# Altium PCB PCB.PcbDoc (part 7 of 10) (continued)
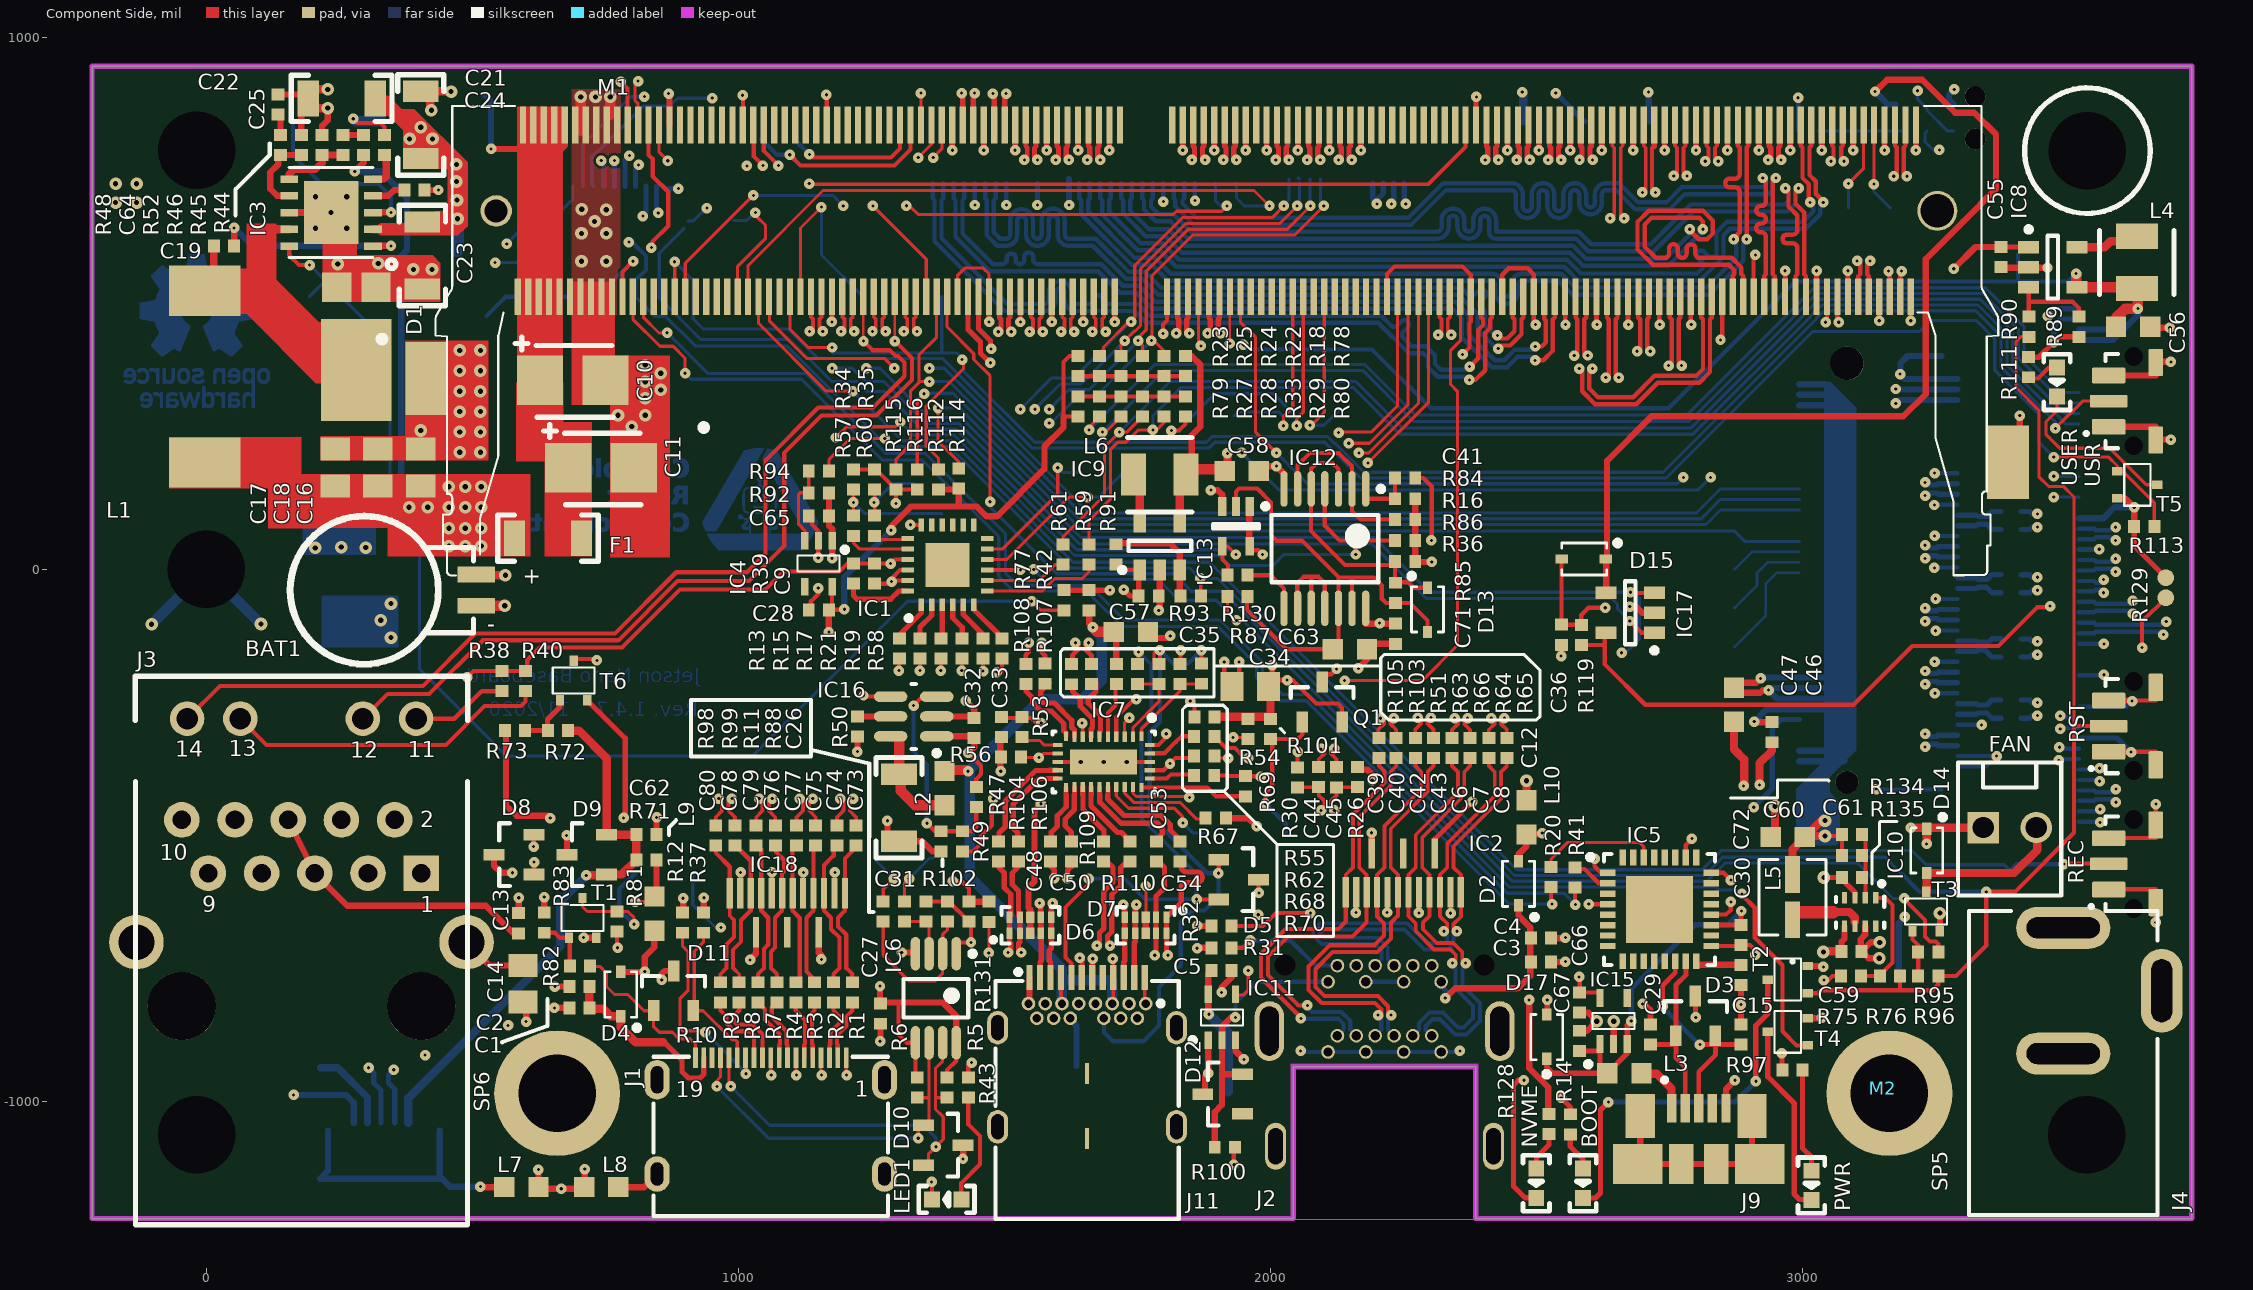
[diagram p0: Component Side view]
## Nets (pads, with @x,y where several pads share a name; then routed paths per layer and width w, separated by ;. In a path a pad name is that pad's centre, name@x,y a point inside that pad or via, vN(x,y) a via of type N, cw(c..) or ccw(c..) an arc to the next point about the centre after c; other vN are vias at no path point) (continued)
-93.9,357.36 -88.48,357.36 ; -93.9,357.73 -88.48,357.73 ; -93.9,358.09 -88.48,358.09 ; -93.9,358.45 -88.48,358.45 ; -93.9,358.81 -88.48,358.81 ; -93.9,359.17 -88.48,359.17 ; -93.9,359.53 -88.48,359.53 ; -93.9,359.89 -88.48,359.89 ; -93.9,360.26 -88.48,360.26 ; -93.9,360.62 -88.48,360.62 ; -93.9,360.98 -88.48,360.98 ; -93.9,361.34 -88.48,361.34 ; -93.9,361.7 -88.48,361.7 ; -93.9,362.06 -88.48,362.06 ; -93.9,362.42 -88.48,362.42 ; -93.9,362.79 -88.48,362.79 ; -93.9,363.15 -88.48,363.15 ; -93.9,363.51 -88.48,363.51 ; -93.9,363.87 -88.48,363.87 ; -93.9,364.23 -88.48,364.23 ; -93.9,364.59 -88.48,364.59 ; -93.9,364.95 -88.48,364.95 ; -93.9,365.32 -88.48,365.32 ; -93.9,365.68 -88.48,365.68 ; -93.9,366.04 -88.48,366.04 ; -93.9,366.4 -88.48,366.4 ; -93.9,366.76 -88.48,366.76 ; -93.9,367.12 -88.48,367.12 ; -93.9,367.49 -88.48,367.49 ; -93.9,367.85 -88.48,367.85 ; -93.9,368.21 -88.48,368.21 ; -93.9,368.57 -88.48,368.57 ; -93.9,375.44 -88.48,375.44 ; -93.9,375.8 -88.48,375.8 ; -93.9,376.16 -88.48,376.16 ; -93.9,376.52 -88.48,376.52 ; -93.9,376.88 -88.48,376.88 ; -93.9,377.25 -88.48,377.25 ; -93.9,377.61 -88.48,377.61 ; -93.9,377.97 -88.48,377.97 ; -93.9,411.23 -67.15,411.23 ; -93.9,435.08 -38.59,435.08 ; -93.9,435.45 -38.59,435.45 ; -93.9,458.94 -31.36,458.94 ; -93.9,459.3 -31.73,459.3 ; -93.9,459.67 -32.45,459.67 ; -93.9,511 -34.62,511 ; -93.9,511.36 -33.9,511.36 ; -93.9,511.72 -33.53,511.72 ; -93.9,537.39 58.28,537.39 ; -93.9,561.24 -67.15,561.24 ; -93.54,410.86 -67.88,410.86 ; -93.54,435.81 -38.23,435.81 ; -93.54,458.22 -30.28,458.22 ; -93.54,458.58 -30.64,458.58 ; -93.54,512.08 -32.81,512.08 ; -93.54,512.44 -32.09,512.44 ; -93.54,536.66 57.92,536.66 ; -93.54,537.02 57.92,537.02 ; -93.54,561.61 -67.51,561.61 ; -93.18,410.5 -68.24,410.5 ; -93.18,436.17 -38.23,436.17 ; -93.18,436.53 -38.23,436.53 ; -93.18,457.13 -29.56,457.13 ; -93.18,457.5 -29.56,457.5 ; -93.18,457.86 -29.92,457.86 ; -93.18,512.8 -31.36,512.8 ; -93.18,513.17 -30.64,513.17 ; -93.18,536.3 57.56,536.3 ; -93.18,561.97 -68.24,561.97 ; -92.82,410.14 -68.96,410.14 ; -92.82,436.89 -37.87,436.89 ; -92.82,456.41 -29.92,456.41 ; -92.82,456.77 -29.56,456.77 ; -92.82,513.53 -29.92,513.53 ; -92.82,513.89 -29.2,513.89 ; -92.82,514.25 -28.11,514.25 ; -92.82,535.58 57.2,535.58 ; -92.82,535.94 57.2,535.94 ; -92.82,562.33 -68.6,562.33 ; -92.46,409.78 -69.32,409.78 ; -92.46,437.25 -37.87,437.25 ; -92.46,437.61 -37.51,437.61 ; -92.46,455.33 -30.28,455.33 ; -92.46,455.69 -30.28,455.69 ; -92.46,456.05 -29.92,456.05 ; -92.46,514.61 -27.39,514.61 ; -92.46,514.97 -25.94,514.97 ; -92.46,535.22 56.84,535.22 ; -92.46,562.69 -69.32,562.69 ; -92.1,409.42 -70.04,409.42 ; -92.1,437.98 -37.51,437.98 ; -92.1,454.6 -30.64,454.6 ; -92.1,454.97 -30.28,454.97 ; -92.1,515.33 -24.5,515.33 ; -92.1,515.7 -22.69,515.7 ; -92.1,516.06 -19.8,516.06 ; -92.1,534.49 56.48,534.49 ; -92.1,534.86 56.48,534.86 ; -92.1,563.05 -69.68,563.05 ; -91.73,327.72 -81.25,327.72 ; -91.73,409.06 -70.41,409.06 ; -91.73,438.34 -37.51,438.34 ; -91.73,453.52 -31,453.52 ; -91.73,453.88 -31,453.88 ; -91.73,454.24 -30.64,454.24 ; -91.73,516.42 56.12,516.42 ; -91.73,516.78 56.12,516.78 ; -91.73,534.13 56.12,534.13 ; -91.73,563.41 -70.41,563.41 ; -91.37,408.7 -70.77,408.7 ; -91.37,438.7 -37.15,438.7 ; -91.37,439.06 -37.15,439.06 ; -91.37,452.8 -31.36,452.8 ; -91.37,453.16 -31.36,453.16 ; -91.37,517.14 55.75,517.14 ; -91.37,517.5 55.75,517.5 ; -91.37,533.41 55.75,533.41 ; -91.37,533.77 55.75,533.77 ; -91.37,563.77 -70.77,563.77 ; -91.01,408.33 -71.49,408.33 ; -91.01,439.42 -36.79,439.42 ; -91.01,451.71 -31.73,451.71 ; -91.01,452.07 -31.73,452.07 ; -91.01,452.44 -31.36,452.44 ; -91.01,517.87 55.39,517.87 ; -91.01,518.23 55.39,518.23 ; -91.01,518.59 55.39,518.59 ; -91.01,533.05 55.39,533.05 ; -91.01,564.14 -71.49,564.14 ; -90.65,407.97 -71.85,407.97 ; -90.65,439.78 -36.79,439.78 ; -90.65,440.14 -36.43,440.14 ; -90.65,450.99 -32.09,450.99 ; -90.65,451.35 -32.09,451.35 ; -90.65,518.95 55.03,518.95 ; -90.65,519.31 55.03,519.31 ; -90.65,532.32 55.03,532.32 ; -90.65,532.69 55.03,532.69 ; -90.65,564.5 -71.85,564.5 ; -90.29,327.36 -81.25,327.36 ; -90.29,407.61 -72.57,407.61 ; -90.29,440.51 -36.43,440.51 ; -90.29,449.91 -32.45,449.91 ; -90.29,450.27 -32.45,450.27 ; -90.29,450.63 -32.09,450.63 ; -90.29,519.67 54.67,519.67 ; -90.29,520.03 54.67,520.03 ; -90.29,531.96 54.67,531.96 ; -90.29,564.86 -72.57,564.86 ; -89.93,407.25 -72.94,407.25 ; -89.93,440.87 -36.43,440.87 ; -89.93,441.23 -36.06,441.23 ; -89.93,449.18 -32.81,449.18 ; -89.93,449.54 -32.81,449.54 ; -89.93,520.4 54.31,520.4 ; -89.93,520.76 54.31,520.76 ; -89.93,521.12 54.31,521.12 ; -89.93,531.6 54.31,531.6 ; -89.93,565.22 -72.94,565.22 ; -89.56,327 -81.25,327 ; -89.56,406.89 -73.66,406.89 ; -89.56,441.59 -36.06,441.59 ; -89.56,448.1 -33.17,448.1 ; -89.56,448.46 -33.17,448.46 ; -89.56,448.82 -33.17,448.82 ; -89.56,521.48 53.95,521.48 ; -89.56,521.84 53.95,521.84 ; -89.56,530.88 53.95,530.88 ; -89.56,531.24 53.95,531.24 ; -89.56,565.58 -73.3,565.58 ; -89.2,406.53 -74.02,406.53 ; -89.2,441.95 -35.7,441.95 ; -89.2,442.31 -35.7,442.31 ; -89.2,447.37 -33.53,447.37 ; -89.2,447.74 -33.53,447.74 ; -89.2,522.2 53.59,522.2 ; -89.2,522.56 53.59,522.56 ; -89.2,530.52 53.59,530.52 ; -89.2,565.94 -74.02,565.94 ; -88.84,326.64 -81.25,326.64 ; -88.84,406.16 -74.74,406.16 ; -88.84,442.68 -35.7,442.68 ; -88.84,446.29 -33.9,446.29 ; -88.84,446.65 -33.9,446.65 ; -88.84,447.01 -33.9,447.01 ; -88.84,522.93 53.22,522.93 ; -88.84,523.29 53.22,523.29 ; -88.84,523.65 53.22,523.65 ; -88.84,529.79 53.22,529.79 ; -88.84,530.16 53.22,530.16 ; -88.84,566.3 -74.38,566.3 ; -88.48,326.28 -81.25,326.28 ; -88.48,405.8 -75.11,405.8 ; -88.48,443.04 -35.34,443.04 ; -88.48,443.4 -35.34,443.4 ; -88.48,445.57 -34.26,445.57 ; -88.48,445.93 -34.26,445.93 ; -88.48,524.01 52.86,524.01 ; -88.48,524.37 52.86,524.37 ; -88.48,529.43 52.86,529.43 ; -88.48,566.67 -75.11,566.67 ; -88.12,325.91 -81.25,325.91 ; -88.12,405.44 -75.83,405.44 ; -88.12,443.76 -34.98,443.76 ; -88.12,444.12 -34.98,444.12 ; -88.12,444.48 -34.62,444.48 ; -88.12,444.84 -34.62,444.84 ; -88.12,445.21 -34.62,445.21 ; -88.12,524.73 52.5,524.73 ; -88.12,525.1 52.5,525.1 ; -88.12,528.71 52.5,528.71 ; -88.12,529.07 52.5,529.07 ; -88.12,567.03 -75.47,567.03 ; -87.76,325.19 -81.25,325.19 ; -87.76,325.55 -81.25,325.55 ; -87.76,405.08 -76.19,405.08 ; -87.76,525.46 52.14,525.46 ; -87.76,525.82 52.14,525.82 ; -87.76,526.18 52.14,526.18 ; -87.76,527.99 52.14,527.99 ; -87.76,528.35 52.14,528.35 ; -87.76,567.39 -76.19,567.39 ; -87.4,324.47 -81.25,324.47 ; -87.4,324.83 -81.25,324.83 ; -87.4,404.72 -76.55,404.72 ; -87.4,526.54 51.78,526.54 ; -87.4,526.9 51.78,526.9 ; -87.4,527.26 51.78,527.26 ; -87.4,527.63 51.78,527.63 ; -87.4,567.75 -76.55,567.75 ; -87.03,323.02 -81.25,323.02 ; -87.03,323.38 -81.25,323.38 ; -87.03,323.75 -81.25,323.75 ; -87.03,324.11 -81.25,324.11 ; -87.03,404.36 -77.27,404.36 ; -87.03,568.11 -77.27,568.11 ; -86.67,304.59 -81.25,304.59 ; -86.67,304.95 -81.25,304.95 ; -86.67,305.31 -81.25,305.31 ; -86.67,305.67 -81.25,305.67 ; -86.67,306.03 -81.25,306.03 ; -86.67,306.39 -81.25,306.39 ; -86.67,306.76 -81.25,306.76 ; -86.67,307.12 -81.25,307.12 ; -86.67,307.48 -81.25,307.48 ; -86.67,307.84 -81.25,307.84 ; -86.67,308.2 -81.25,308.2 ; -86.67,308.56 -81.25,308.56 ; -86.67,308.92 -81.25,308.92 ; -86.67,309.29 -81.25,309.29 ; -86.67,309.65 -81.25,309.65 ; -86.67,310.01 -81.25,310.01 ; -86.67,310.37 -81.25,310.37 ; -86.67,310.73 -81.25,310.73 ; -86.67,311.09 -81.25,311.09 ; -86.67,311.45 -81.25,311.45 ; -86.67,311.82 -81.25,311.82 ; -86.67,312.18 -81.25,312.18 ; -86.67,312.54 -81.25,312.54 ; -86.67,312.9 -81.25,312.9 ; -86.67,313.26 -81.25,313.26 ; -86.67,313.62 -81.25,313.62 ; -86.67,313.98 -81.25,313.98 ; -86.67,314.35 -81.25,314.35 ; -86.67,314.71 -81.25,314.71 ; -86.67,315.07 -81.25,315.07 ; -86.67,315.43 -81.25,315.43 ; -86.67,315.79 -81.25,315.79 ; -86.67,316.15 -81.25,316.15 ; -86.67,316.52 -81.25,316.52 ; -86.67,316.88 -81.25,316.88 ; -86.67,317.24 -81.25,317.24 ; -86.67,317.6 -81.25,317.6 ; -86.67,317.96 -81.25,317.96 ; -86.67,318.32 -81.25,318.32 ; -86.67,318.68 -81.25,318.68 ; -86.67,319.05 -81.25,319.05 ; -86.67,319.41 -81.25,319.41 ; -86.67,319.77 -81.25,319.77 ; -86.67,320.13 -81.25,320.13 ; -86.67,320.49 -81.25,320.49 ; -86.67,320.85 -81.25,320.85 ; -86.67,321.21 -81.25,321.21 ; -86.67,321.58 -81.25,321.58 ; -86.67,321.94 -81.25,321.94 ; -86.67,322.3 -81.25,322.3 ; -86.67,322.66 -81.25,322.66 ; -86.67,330.25 -81.25,330.25 ; -86.67,330.61 -81.25,330.61 ; -86.67,330.97 -81.25,330.97 ; -86.67,331.34 -81.25,331.34 ; -86.67,331.7 -81.25,331.7 ; -86.67,332.06 -81.25,332.06 ; -86.67,332.42 -81.25,332.42 ; -86.67,332.78 -81.25,332.78 ; -86.67,404 -77.64,404 ; -86.67,568.47 -77.64,568.47 ; -86.31,403.63 -78.36,403.63 ; -86.31,568.84 -78.36,568.84 ; -85.95,403.27 -78.72,403.27 ; -85.95,569.2 -78.72,569.2 ; -85.59,402.91 -79.44,402.91 ; -85.59,569.56 -79.08,569.56 ; -85.23,402.55 -79.8,402.55 ; -85.23,569.92 -79.8,569.92 ; -84.87,402.19 -80.53,402.19 ; -84.87,570.28 -80.17,570.28 ; -84.5,401.83 -80.89,401.83 ; -84.5,570.64 -80.89,570.64 ; -84.14,401.47 -81.61,401.47 ; -84.14,571 -81.25,571 ; -83.78,571.37 -81.97,571.37 ; -83.42,401.1 -81.97,401.1 ; -81.97,350.13 -76.19,350.13 ; -81.97,350.5 -76.19,350.5 ; -81.97,350.86 -76.19,350.86 ; -81.97,351.22 -76.19,351.22 ; -81.97,351.58 -76.19,351.58 ; -81.97,351.94 -76.19,351.94 ; -81.97,352.3 -76.19,352.3 ; -81.97,352.66 -76.19,352.66 ; -81.97,353.03 -61.37,353.03 ; -81.97,353.39 -61.01,353.39 ; -81.97,353.75 -60.65,353.75 ; -81.97,354.11 -60.65,354.11 ; -81.97,354.47 -60.28,354.47 ; -81.97,354.83 -60.28,354.83 ; -81.97,355.19 -71.85,355.19 ; -81.97,355.56 -72.94,355.56 ; -81.97,355.92 -73.66,355.92 ; -81.97,356.28 -74.38,356.28 ; -81.97,356.64 -74.74,356.64 ; -81.97,357 -74.74,357 ; -81.97,357.36 -75.11,357.36 ; -81.97,357.73 -75.47,357.73 ; -81.97,358.09 -75.47,358.09 ; -81.97,358.45 -75.83,358.45 ; -81.97,358.81 -75.83,358.81 ; -81.97,359.17 -76.19,359.17 ; -81.97,359.53 -76.19,359.53 ; -81.97,359.89 -76.19,359.89 ; -81.97,360.26 -76.19,360.26 ; -81.97,360.62 -76.19,360.62 ; -81.97,360.98 -76.19,360.98 ; -81.97,361.34 -76.19,361.34 ; -81.97,361.7 -76.19,361.7 ; -81.97,362.06 -76.19,362.06 ; -81.97,362.42 -76.19,362.42 ; -81.97,362.79 -76.19,362.79 ; -81.97,363.15 -76.19,363.15 ; -81.97,363.51 -76.19,363.51 ; -81.97,363.87 -76.19,363.87 ; -81.97,364.23 -76.19,364.23 ; -81.97,364.59 -76.19,364.59 ; -81.97,364.95 -76.19,364.95 ; -81.97,365.32 -76.19,365.32 ; -81.97,365.68 -76.19,365.68 ; -81.97,366.04 -76.19,366.04 ; -81.97,366.4 -76.19,366.4 ; -81.97,366.76 -76.19,366.76 ; -81.97,367.12 -76.19,367.12 ; -81.97,367.49 -76.19,367.49 ; -81.97,367.85 -76.19,367.85 ; -81.97,368.21 -76.19,368.21 ; -81.97,368.57 -76.19,368.57 ; -81.97,368.93 -76.19,368.93 ; -81.97,369.29 -76.19,369.29 ; -81.97,369.65 -76.19,369.65 ; -81.97,370.02 -76.19,370.02 ; -81.97,370.38 -76.19,370.38 ; -81.97,370.74 -76.19,370.74 ; -81.97,371.1 -76.19,371.1 ; -81.97,371.46 -76.19,371.46 ; -81.97,371.82 -76.19,371.82 ; -81.97,372.18 -76.19,372.18 ; -81.97,372.55 -76.19,372.55 ; -81.97,372.91 -76.19,372.91 ; -81.97,373.27 -76.19,373.27 ; -81.97,373.63 -76.19,373.63 ; -81.97,373.99 -76.19,373.99 ; -81.97,374.35 -76.19,374.35 ; -81.97,374.72 -76.19,374.72 ; -81.97,375.08 -76.19,375.08 ; -81.97,375.44 -76.19,375.44 ; -81.97,375.8 -76.19,375.8 ; -81.97,376.16 -76.19,376.16 ; -81.97,376.52 -76.19,376.52 ; -81.97,376.88 -76.19,376.88 ; -81.97,377.25 -76.19,377.25 ; -81.97,377.61 -76.19,377.61 ; -81.97,377.97 -76.19,377.97 ; -75.83,352.66 -61.73,352.66 ; -75.47,352.3 -62.09,352.3 ; -75.11,351.94 -62.45,351.94 ; -74.74,304.59 -69.32,304.59 ; -74.74,304.95 -69.32,304.95 ; -74.74,305.31 -69.32,305.31 ; -74.74,305.67 -69.32,305.67 ; -74.74,306.03 -69.32,306.03 ; -74.74,306.39 -69.32,306.39 ; -74.74,306.76 -69.32,306.76 ; -74.74,307.12 -54.14,307.12 ; -74.74,307.48 -53.78,307.48 ; -74.74,307.84 -53.42,307.84 ; -74.74,308.2 -53.05,308.2 ; -74.74,308.56 -53.05,308.56 ; -74.74,308.92 -52.69,308.92 ; -74.74,309.29 -52.69,309.29 ; -74.74,309.65 -66.43,309.65 ; -74.74,310.01 -67.15,310.01 ; -74.74,310.37 -67.88,310.37 ; -74.74,310.73 -68.24,310.73 ; -74.74,311.09 -68.6,311.09 ; -74.74,311.45 -68.6,311.45 ; -74.74,311.82 -68.96,311.82 ; -74.74,312.18 -68.96,312.18 ; -74.74,312.54 -68.96,312.54 ; -74.74,312.9 -68.96,312.9 ; -74.74,313.26 -68.96,313.26 ; -74.74,313.62 -68.96,313.62 ; -74.74,313.98 -68.96,313.98 ; -74.74,314.35 -69.32,314.35 ; -74.74,314.71 -69.32,314.71 ; -74.74,315.07 -69.32,315.07 ; -74.74,315.43 -69.32,315.43 ; -74.74,315.79 -69.32,315.79 ; -74.74,316.15 -69.32,316.15 ; -74.74,316.52 -68.96,316.52 ; -74.74,316.88 -52.69,316.88 ; -74.74,317.24 -53.05,317.24 ; -74.74,317.6 -53.42,317.6 ; -74.74,317.96 -53.42,317.96 ; -74.74,318.32 -53.78,318.32 ; -74.74,318.68 -54.14,318.68 ; -74.74,319.05 -54.5,319.05 ; -74.74,319.41 -55.22,319.41 ; -74.74,319.77 -55.58,319.77 ; -74.74,320.13 -56.31,320.13 ; -74.74,320.49 -57.03,320.49 ; -74.74,320.85 -58.48,320.85 ; -74.74,321.21 -68.96,321.21 ; -74.74,321.58 -69.32,321.58 ; -74.74,321.94 -69.32,321.94 ; -74.74,322.3 -69.32,322.3 ; -74.74,322.66 -69.32,322.66 ; -74.74,323.02 -69.32,323.02 ; -74.74,323.38 -69.32,323.38 ; -74.74,323.75 -69.32,323.75 ; -74.74,324.11 -69.32,324.11 ; -74.74,324.47 -69.32,324.47 ; -74.74,324.83 -68.96,324.83 ; -74.74,351.58 -62.81,351.58 ; -74.38,325.19 -68.96,325.19 ; -74.38,325.55 -68.96,325.55 ; -74.38,325.91 -68.96,325.91 ; -74.38,326.28 -68.6,326.28 ; -74.38,326.64 -68.6,326.64 ; -74.38,327 -67.88,327 ; -74.38,351.22 -63.18,351.22 ; -74.02,327.36 -67.51,327.36 ; -74.02,327.72 -66.43,327.72 ; -74.02,328.08 -63.54,328.08 ; -73.66,328.44 -54.5,328.44 ; -73.66,328.81 -53.78,328.81 ; -73.66,350.86 -63.9,350.86 ; -73.3,329.17 -53.42,329.17 ; -72.94,329.53 -53.78,329.53 ; -72.94,329.89 -53.78,329.89 ; -72.94,350.5 -64.62,350.5 ; -72.57,330.25 -54.14,330.25 ; -72.21,330.61 -54.5,330.61 ; -72.21,350.13 -65.35,350.13 ; -71.85,330.97 -54.86,330.97 ; -71.13,331.34 -55.58,331.34 ; -71.13,349.77 -66.43,349.77 ; -70.41,331.7 -55.95,331.7 ; -70.04,332.06 -56.67,332.06 ; -68.96,332.42 -57.39,332.42 ; -68.96,355.19 -59.92,355.19 ; -68.6,306.76 -54.5,306.76 ; -68.24,306.39 -54.86,306.39 ; -67.88,306.03 -55.22,306.03 ; -67.88,332.78 -58.84,332.78 ; -67.88,355.56 -59.92,355.56 ; -67.51,305.67 -55.95,305.67 ; -67.15,305.31 -56.67,305.31 ; -67.15,355.92 -59.92,355.92 ; -66.79,356.28 -59.56,356.28 ; -66.43,304.95 -57.39,304.95 ; -66.43,356.64 -59.56,356.64 ; -66.07,357 -59.56,357 ; -65.71,333.14 -61.01,333.14 ; -65.71,357.36 -59.56,357.36 ; -65.71,357.73 -59.2,357.73 ; -65.35,304.59 -58.48,304.59 ; -65.35,358.09 -59.2,358.09 ; -65.35,358.45 -59.2,358.45 ; -64.98,358.81 -59.2,358.81 ; -64.98,359.17 -59.2,359.17 ; -64.98,359.53 -59.2,359.53 ; -64.98,359.89 -59.2,359.89 ; -64.62,360.26 -59.2,360.26 ; -64.62,360.62 -59.2,360.62 ; -64.62,360.98 -59.2,360.98 ; -64.62,361.34 -59.2,361.34 ; -64.62,361.7 -59.2,361.7 ; -64.62,362.06 -59.2,362.06 ; -64.62,362.42 -59.2,362.42 ; -64.62,362.79 -59.2,362.79 ; -64.62,363.15 -59.2,363.15 ; -64.62,363.51 -59.2,363.51 ; -64.62,363.87 -59.2,363.87 ; -64.62,364.23 -59.2,364.23 ; -64.62,364.59 -59.2,364.59 ; -64.62,364.95 -59.2,364.95 ; -64.62,365.32 -59.2,365.32 ; -64.62,365.68 -59.2,365.68 ; -64.62,366.04 -59.2,366.04 ; -64.62,366.4 -59.2,366.4 ; -64.62,366.76 -59.2,366.76 ; -64.62,367.12 -59.2,367.12 ; -64.62,367.49 -59.2,367.49 ; -64.62,367.85 -59.2,367.85 ; -64.62,368.21 -59.2,368.21 ; -64.62,368.57 -59.2,368.57 ; -64.62,368.93 -59.2,368.93 ; -64.62,369.29 -59.2,369.29 ; -64.62,369.65 -59.2,369.65 ; -64.62,370.02 -59.2,370.02 ; -64.62,370.38 -59.2,370.38 ; -64.62,370.74 -59.2,370.74 ; -64.62,371.1 -59.2,371.1 ; -64.62,371.46 -59.2,371.46 ; -64.62,371.82 -59.2,371.82 ; -64.62,372.18 -59.2,372.18 ; -64.62,372.55 -59.2,372.55 ; -64.62,372.91 -59.2,372.91 ; -64.62,373.27 -59.2,373.27 ; -64.62,373.63 -59.2,373.63 ; -64.62,373.99 -59.2,373.99 ; -64.62,374.35 -59.2,374.35 ; -64.62,374.72 -59.2,374.72 ; -64.62,375.08 -59.2,375.08 ; -64.62,375.44 -59.2,375.44 ; -64.62,375.8 -59.2,375.8 ; -64.62,376.16 -59.2,376.16 ; -64.62,376.52 -59.2,376.52 ; -64.62,376.88 -59.2,376.88 ; -64.62,377.25 -59.2,377.25 ; -64.62,377.61 -59.2,377.61 ; -64.62,377.97 -59.2,377.97 ; -62.45,304.22 -61.37,304.22 ; -62.45,328.08 -54.86,328.08 ; -60.65,316.52 -52.69,316.52 ; -59.92,309.65 -52.33,309.65 ; -59.92,327.72 -55.22,327.72 ; -59.92,415.56 -46.91,415.56 ; -59.2,310.01 -52.33,310.01 ; -59.2,316.15 -52.33,316.15 ; -59.2,327.36 -55.95,327.36 ; -58.84,415.2 -46.91,415.2 ; -58.48,310.37 -52.33,310.37 ; -58.48,315.79 -52.33,315.79 ; -58.48,327 -56.31,327 ; -58.12,310.73 -51.97,310.73 ; -58.12,315.43 -52.33,315.43 ; -58.12,326.28 -57.39,326.28 ; -58.12,326.64 -56.67,326.64 ; -58.12,414.84 -46.91,414.84 ; -57.75,311.09 -51.97,311.09 ; -57.75,315.07 -52.33,315.07 ; -57.39,311.45 -51.97,311.45 ; -57.39,311.82 -51.97,311.82 ; -57.39,312.18 -51.97,312.18 ; -57.39,314.35 -51.97,314.35 ; -57.39,314.71 -51.97,314.71 ; -57.39,414.48 -47.27,414.48 ; -57.03,312.54 -51.97,312.54 ; -57.03,312.9 -51.97,312.9 ; -57.03,313.26 -51.97,313.26 ; -57.03,313.62 -51.97,313.62 ; -57.03,313.98 -51.97,313.98 ; -57.03,555.82 21.41,555.82 ; -56.67,414.12 -47.27,414.12 ; -56.31,556.18 20.69,556.18 ; -55.95,413.76 -47.63,413.76 ; -55.58,413.39 -47.63,413.39 ; -55.58,556.54 19.97,556.54 ; -54.86,413.03 -47.63,413.03 ; -54.5,556.91 18.88,556.91 ; -54.14,363.51 -48.35,363.51 ; -54.14,363.87 -48.35,363.87 ; -54.14,364.23 -48.35,364.23 ; -54.14,364.59 -48.35,364.59 ; -54.14,412.67 -47.99,412.67 ; -53.78,359.17 -47.99,359.17 ; -53.78,359.53 -47.99,359.53 ; -53.78,359.89 -48.35,359.89 ; -53.78,360.26 -48.35,360.26 ; -53.78,360.62 -48.35,360.62 ; -53.78,360.98 -48.35,360.98 ; -53.78,361.34 -48.35,361.34 ; -53.78,361.7 -48.35,361.7 ; -53.78,362.06 -48.35,362.06 ; -53.78,362.42 -48.35,362.42 ; -53.78,362.79 -48.35,362.79 ; -53.78,363.15 -48.35,363.15 ; -53.78,364.95 -48.35,364.95 ; -53.78,365.32 -48.35,365.32 ; -53.78,365.68 -48.35,365.68 ; -53.78,366.04 -48.35,366.04 ; -53.78,366.4 -48.35,366.4 ; -53.78,366.76 -48.35,366.76 ; -53.78,367.12 -48.35,367.12 ; -53.78,367.49 -48.35,367.49 ; -53.78,367.85 -48.35,367.85 ; -53.78,368.21 -48.35,368.21 ; -53.78,368.57 -47.99,368.57 ; -53.78,368.93 -47.99,368.93 ; -53.78,557.27 18.16,557.27 ; -53.42,357.36 -47.27,357.36 ; -53.42,357.73 -47.27,357.73 ; -53.42,358.09 -47.63,358.09 ; -53.42,358.45 -47.63,358.45 ; -53.42,358.81 -47.99,358.81 ; -53.42,369.29 -47.99,369.29 ; -53.42,369.65 -47.63,369.65 ; -53.42,370.02 -47.63,370.02 ; -53.42,370.38 -47.27,370.38 ; -53.42,370.74 -47.27,370.74 ; -53.42,412.31 -47.99,412.31 ; -53.05,356.28 -46.19,356.28 ; -53.05,356.64 -46.55,356.64 ; -53.05,357 -46.91,357 ; -53.05,371.1 -46.91,371.1 ; -53.05,371.46 -46.55,371.46 ; -53.05,371.82 -46.19,371.82 ; -52.69,355.56 -44.74,355.56 ; -52.69,355.92 -45.46,355.92 ; -52.69,372.18 -45.46,372.18 ; -52.69,372.55 -44.74,372.55 ; -52.69,411.95 -48.35,411.95 ; -52.69,557.63 17.07,557.63 ; -52.33,354.83 -32.45,354.83 ; -52.33,355.19 -44.02,355.19 ; -52.33,372.91 -43.66,372.91 ; -52.33,373.27 -32.45,373.27 ; -51.97,354.47 -32.81,354.47 ; -51.97,373.63 -32.81,373.63 ; -51.97,411.59 -48.35,411.59 ; -51.97,557.99 16.35,557.99 ; -51.61,354.11 -32.81,354.11 ; -51.61,373.99 -32.81,373.99 ; -51.25,353.39 -33.53,353.39 ; -51.25,353.75 -33.17,353.75 ; -51.25,374.35 -33.17,374.35 ; -51.25,374.72 -33.53,374.72 ; -51.25,411.23 -48.72,411.23 ; -50.89,332.06 -45.1,332.06 ; -50.89,332.42 -45.1,332.42 ; -50.89,332.78 -45.1,332.78 ; -50.89,353.03 -33.9,353.03 ; -50.89,375.08 -33.9,375.08 ; -50.89,558.35 15.27,558.35 ; -50.52,330.61 -44.74,330.61 ; -50.52,330.97 -44.74,330.97 ; -50.52,331.34 -44.74,331.34 ; -50.52,331.7 -44.74,331.7 ; -50.52,352.66 -34.26,352.66 ; -50.52,375.44 -34.26,375.44 ; -50.52,410.86 -48.72,410.86 ; -50.16,329.53 -44.38,329.53 ; -50.16,329.89 -44.38,329.89 ; -50.16,330.25 -44.38,330.25 ; -50.16,352.3 -34.62,352.3 ; -50.16,375.8 -34.62,375.8 ; -50.16,558.71 14.54,558.71 ; -49.8,328.44 -44.02,328.44 ; -49.8,328.81 -44.02,328.81 ; -49.8,329.17 -44.38,329.17 ; -49.8,351.94 -34.98,351.94 ; -49.8,376.16 -34.98,376.16 ; -49.8,410.5 -49.08,410.5 ; -49.44,327.36 -43.66,327.36 ; -49.44,327.72 -43.66,327.72 ; -49.44,328.08 -44.02,328.08 ; -49.44,559.08 13.46,559.08 ; -49.08,326.28 -43.29,326.28 ; -49.08,326.64 -43.66,326.64 ; -49.08,327 -43.66,327 ; -49.08,351.58 -35.34,351.58 ; -49.08,376.52 -35.34,376.52 ; -48.72,325.19 -43.29,325.19 ; -48.72,325.55 -43.29,325.55 ; -48.72,325.91 -43.29,325.91 ; -48.72,351.22 -36.06,351.22 ; -48.72,376.88 -36.06,376.88 ; -48.35,324.11 -42.93,324.11 ; -48.35,324.47 -42.93,324.47 ; -48.35,324.83 -42.93,324.83 ; -48.35,559.44 12.74,559.44 ; -47.99,323.02 -42.57,323.02 ; -47.99,323.38 -42.57,323.38 ; -47.99,323.75 -42.57,323.75 ; -47.99,350.86 -36.43,350.86 ; -47.99,377.25 -36.79,377.25 ; -47.63,321.58 -42.21,321.58 ; -47.63,321.94 -42.21,321.94 ; -47.63,322.3 -42.21,322.3 ; -47.63,322.66 -42.57,322.66 ; -47.63,559.8 12.01,559.8 ; -47.27,320.49 -41.85,320.49 ; -47.27,320.85 -41.85,320.85 ; -47.27,321.21 -42.21,321.21 ; -47.27,350.5 -37.51,350.5 ; -47.27,377.61 -37.51,377.61 ; -46.91,319.41 -41.49,319.41 ; -46.91,319.77 -41.49,319.77 ; -46.91,320.13 -41.85,320.13 ; -46.55,318.32 -41.13,318.32 ; -46.55,318.68 -41.49,318.68 ; -46.55,319.05 -41.49,319.05 ; -46.55,560.16 10.93,560.16 ; -46.19,317.24 -41.13,317.24 ; -46.19,317.6 -41.13,317.6 ; -46.19,317.96 -41.13,317.96 ; -46.19,350.13 -38.23,350.13 ; -46.19,377.97 -38.59,377.97 ; -45.82,316.15 -40.76,316.15 ; -45.82,316.52 -40.76,316.52 ; -45.82,316.88 -40.76,316.88 ; -45.82,560.52 10.21,560.52 ; -45.46,315.07 -40.4,315.07 ; -45.46,315.43 -40.4,315.43 ; -45.46,315.79 -40.4,315.79 ; -45.1,313.62 -40.04,313.62 ; -45.1,313.98 -40.04,313.98 ; -45.1,314.35 -40.04,314.35 ; -45.1,314.71 -40.4,314.71 ; -45.1,378.33 -39.68,378.33 ; -44.74,312.54 -34.62,312.54 ; -44.74,312.9 -34.62,312.9 ; -44.74,313.26 -40.04,313.26 ; -44.74,349.77 -39.68,349.77 ; -44.74,560.88 9.12,560.88 ; -44.38,311.45 -34.98,311.45 ; -44.38,311.82 -34.98,311.82 ; -44.38,312.18 -34.98,312.18 ; -44.02,310.37 -35.34,310.37 ; -44.02,310.73 -35.34,310.73 ; -44.02,311.09 -34.98,311.09 ; -44.02,561.24 8.4,561.24 ; -43.66,309.29 -35.7,309.29 ; -43.66,309.65 -35.7,309.65 ; -43.66,310.01 -35.34,310.01 ; -43.29,308.2 -36.06,308.2 ; -43.29,308.56 -36.06,308.56 ; -43.29,308.92 -35.7,308.92 ; -42.93,307.12 -36.43,307.12 ; -42.93,307.48 -36.06,307.48 ; -42.93,307.84 -36.06,307.84 ; -42.93,561.61 7.31,561.61 ; -42.57,306.03 -36.79,306.03 ; -42.57,306.39 -36.43,306.39 ; -42.57,306.76 -36.43,306.76 ; -42.21,304.59 -37.15,304.59 ; -42.21,304.95 -37.15,304.95 ; -42.21,305.31 -36.79,305.31 ; -42.21,305.67 -36.79,305.67 ; -42.21,561.97 6.59,561.97 ; -41.49,562.33 5.87,562.33 ; -40.76,355.19 -32.09,355.19 ; -40.76,372.91 -32.09,372.91 ; -40.4,562.69 4.78,562.69 ; -39.68,355.56 -32.09,355.56 ; -39.68,372.55 -32.09,372.55 ; -39.68,563.05 4.06,563.05 ; -39.32,313.26 -34.62,313.26 ; -39.32,313.62 -34.26,313.62 ; -38.96,313.98 -34.26,313.98 ; -38.96,314.35 -34.26,314.35 ; -38.96,314.71 -33.9,314.71 ; -38.96,355.92 -31.73,355.92 ; -38.96,372.18 -31.73,372.18 ; -38.96,563.41 3.34,563.41 ; -38.59,315.07 -33.9,315.07 ; -38.59,315.43 -33.9,315.43 ; -38.59,315.79 -33.9,315.79 ; -38.59,356.28 -31.73,356.28 ; -38.59,371.82 -31.73,371.82 ; -38.23,316.15 -33.53,316.15 ; -38.23,316.52 -33.53,316.52 ; -38.23,316.88 -33.53,316.88 ; -38.23,356.64 -31.73,356.64 ; -38.23,371.46 -31.73,371.46 ; -38.23,563.77 2.62,563.77 ; -37.87,317.24 -33.17,317.24 ; -37.87,317.6 -33.17,317.6 ; -37.87,317.96 -33.17,317.96 ; -37.87,318.32 -32.81,318.32 ; -37.87,357 -31.36,357 ; -37.87,371.1 -31.36,371.1 ; -37.87,564.14 2.25,564.14 ; -37.87,564.5 2.25,564.5 ; -37.51,318.68 -32.81,318.68 ; -37.51,319.05 -32.81,319.05 ; -37.51,319.41 -32.81,319.41 ; -37.51,357.36 -31.36,357.36 ; -37.51,370.74 -31.36,370.74 ; -37.51,564.86 1.89,564.86 ; -37.51,565.22 1.89,565.22 ; -37.51,565.58 1.89,565.58 ; -37.51,565.94 1.89,565.94 ; -37.51,566.3 1.89,566.3 ; -37.15,319.77 -32.45,319.77 ; -37.15,320.13 -32.45,320.13 ; -37.15,320.49 -32.45,320.49 ; -37.15,357.73 -31.36,357.73 ; -37.15,358.09 -31,358.09 ; -37.15,370.02 -31,370.02 ; -37.15,370.38 -31.36,370.38 ; -37.15,566.67 1.53,566.67 ; -37.15,567.03 1.53,567.03 ; -37.15,567.39 1.53,567.39 ; -37.15,567.75 1.53,567.75 ; -37.15,568.11 1.53,568.11 ; -37.15,568.47 1.53,568.47 ; -36.79,320.85 -32.09,320.85 ; -36.79,321.21 -32.09,321.21 ; -36.79,321.58 -32.09,321.58 ; -36.79,358.45 -31,358.45 ; -36.79,358.81 -31,358.81 ; -36.79,369.29 -31,369.29 ; -36.79,369.65 -31,369.65 ; -36.79,568.84 1.17,568.84 ; -36.79,569.2 1.17,569.2 ; -36.79,569.56 1.17,569.56 ; -36.79,569.92 1.17,569.92 ; -36.79,570.28 1.17,570.28 ; -36.43,321.94 -31.73,321.94 ; -36.43,322.3 -31.73,322.3 ; -36.43,322.66 -31.73,322.66 ; -36.43,359.17 -31,359.17 ; -36.43,359.53 -31,359.53 ; -36.43,359.89 -30.64,359.89 ; -36.43,360.26 -30.64,360.26 ; -36.43,360.62 -30.64,360.62 ; -36.43,367.49 -30.64,367.49 ; -36.43,367.85 -30.64,367.85 ; -36.43,368.21 -30.64,368.21 ; -36.43,368.57 -31,368.57 ; -36.43,368.93 -31,368.93 ; -36.43,570.64 0.81,570.64 ; -36.43,571 0.81,571 ; -36.43,571.37 0.81,571.37 ; -36.43,571.73 0.81,571.73 ; -36.43,572.09 0.81,572.09 ; -36.06,323.02 -31.73,323.02 ; -36.06,323.38 -31.36,323.38 ; -36.06,323.75 -31.36,323.75 ; -36.06,360.98 -30.64,360.98 ; -36.06,361.34 -30.64,361.34 ; -36.06,361.7 -30.64,361.7 ; -36.06,362.06 -30.64,362.06 ; -36.06,362.42 -30.64,362.42 ; -36.06,362.79 -30.64,362.79 ; -36.06,363.15 -30.64,363.15 ; -36.06,363.51 -30.64,363.51 ; -36.06,363.87 -30.64,363.87 ; -36.06,364.23 -30.64,364.23 ; -36.06,364.59 -30.64,364.59 ; -36.06,364.95 -30.64,364.95 ; -36.06,365.32 -30.64,365.32 ; -36.06,365.68 -30.64,365.68 ; -36.06,366.04 -30.64,366.04 ; -36.06,366.4 -30.64,366.4 ; -36.06,366.76 -30.64,366.76 ; -36.06,367.12 -30.64,367.12 ; -36.06,572.45 0.45,572.45 ; -36.06,572.81 0.45,572.81 ; -36.06,573.17 0.45,573.17 ; -36.06,573.53 0.45,573.53 ; -36.06,573.9 0.45,573.9 ; -36.06,574.26 0.45,574.26 ; -35.7,324.11 -31.36,324.11 ; -35.7,324.47 -31,324.47 ; -35.7,324.83 -26.3,324.83 ; -35.7,574.62 0.08,574.62 ; -35.7,574.98 0.08,574.98 ; -35.7,575.34 0.08,575.34 ; -35.7,575.7 0.08,575.7 ; -35.7,576.06 0.08,576.06 ; -35.34,325.19 -26.3,325.19 ; -35.34,325.55 -26.67,325.55 ; -35.34,325.91 -26.67,325.91 ; -35.34,576.43 -0.28,576.43 ; -35.34,576.79 -0.28,576.79 ; -35.34,577.15 -0.28,577.15 ; -35.34,577.51 -0.28,577.51 ; -35.34,577.87 -0.28,577.87 ; -35.34,578.23 -0.64,578.23 ; -34.98,326.28 -26.67,326.28 ; -34.98,326.64 -27.03,326.64 ; -34.98,327 -27.03,327 ; -34.98,578.6 -0.64,578.6 ; -34.98,578.96 -0.64,578.96 ; -34.98,579.32 -0.64,579.32 ; -34.98,579.68 -0.64,579.68 ; -34.98,580.04 -0.64,580.04 ; -34.62,327.36 -27.03,327.36 ; -34.62,327.72 -27.39,327.72 ; -34.62,328.08 -27.39,328.08 ; -34.62,580.4 -1,580.4 ; -34.62,580.76 -1,580.76 ; -34.62,581.13 -1,581.13 ; -34.62,581.49 -1,581.49 ; -34.62,581.85 -1,581.85 ; -34.26,328.44 -27.39,328.44 ; -34.26,328.81 -27.75,328.81 ; -34.26,329.17 -27.75,329.17 ; -34.26,582.21 -1.36,582.21 ; -34.26,582.57 -1.36,582.57 ; -34.26,582.93 -1.36,582.93 ; -34.26,583.29 -1.36,583.29 ; -34.26,583.66 -1.36,583.66 ; -34.26,584.02 -1.36,584.02 ; -33.9,329.53 -27.75,329.53 ; -33.9,329.89 -28.11,329.89 ; -33.9,330.25 -28.11,330.25 ; -33.9,330.61 -28.11,330.61 ; -33.9,584.38 -1.72,584.38 ; -33.9,584.74 -1.72,584.74 ; -33.9,585.1 -1.72,585.1 ; -33.9,585.46 -1.72,585.46 ; -33.9,585.83 -1.72,585.83 ; -33.53,330.97 -28.47,330.97 ; -33.53,331.34 -28.47,331.34 ; -33.53,331.7 -28.47,331.7 ; -33.53,586.19 -2.08,586.19 ; -33.53,586.55 -2.08,586.55 ; -33.53,586.91 -2.08,586.91 ; -33.53,587.27 -2.08,587.27 ; -33.53,587.63 -2.08,587.63 ; -33.17,332.06 -28.83,332.06 ; -33.17,332.42 -28.83,332.42 ; -33.17,332.78 -28.83,332.78 ; -33.17,587.99 -2.45,587.99 ; -33.17,588.36 -2.45,588.36 ; -33.17,588.72 -2.45,588.72 ; -33.17,589.08 -2.45,589.08 ; -33.17,589.44 -2.45,589.44 ; -33.17,589.8 -2.45,589.8 ; -32.81,590.16 -2.81,590.16 ; -32.81,590.52 -2.81,590.52 ; -32.81,590.89 -2.81,590.89